# Altium PCB vision-pi-main.PcbDoc (part 3 of 4)
Units mil, origin at the board's own origin, x right, y up, seen from the top; angles counter-clockwise.
Board outline 944.88 x 1496.06 mil, 6 copper layers (Top Layer, GND(2), Sig(3), Sig(4), PWR, Bottom Layer), stack 32.111 mil thick; 145 components, 190 nets, 978 pads, 464 vias.
Unrouted connection lines stored in the file: 2.
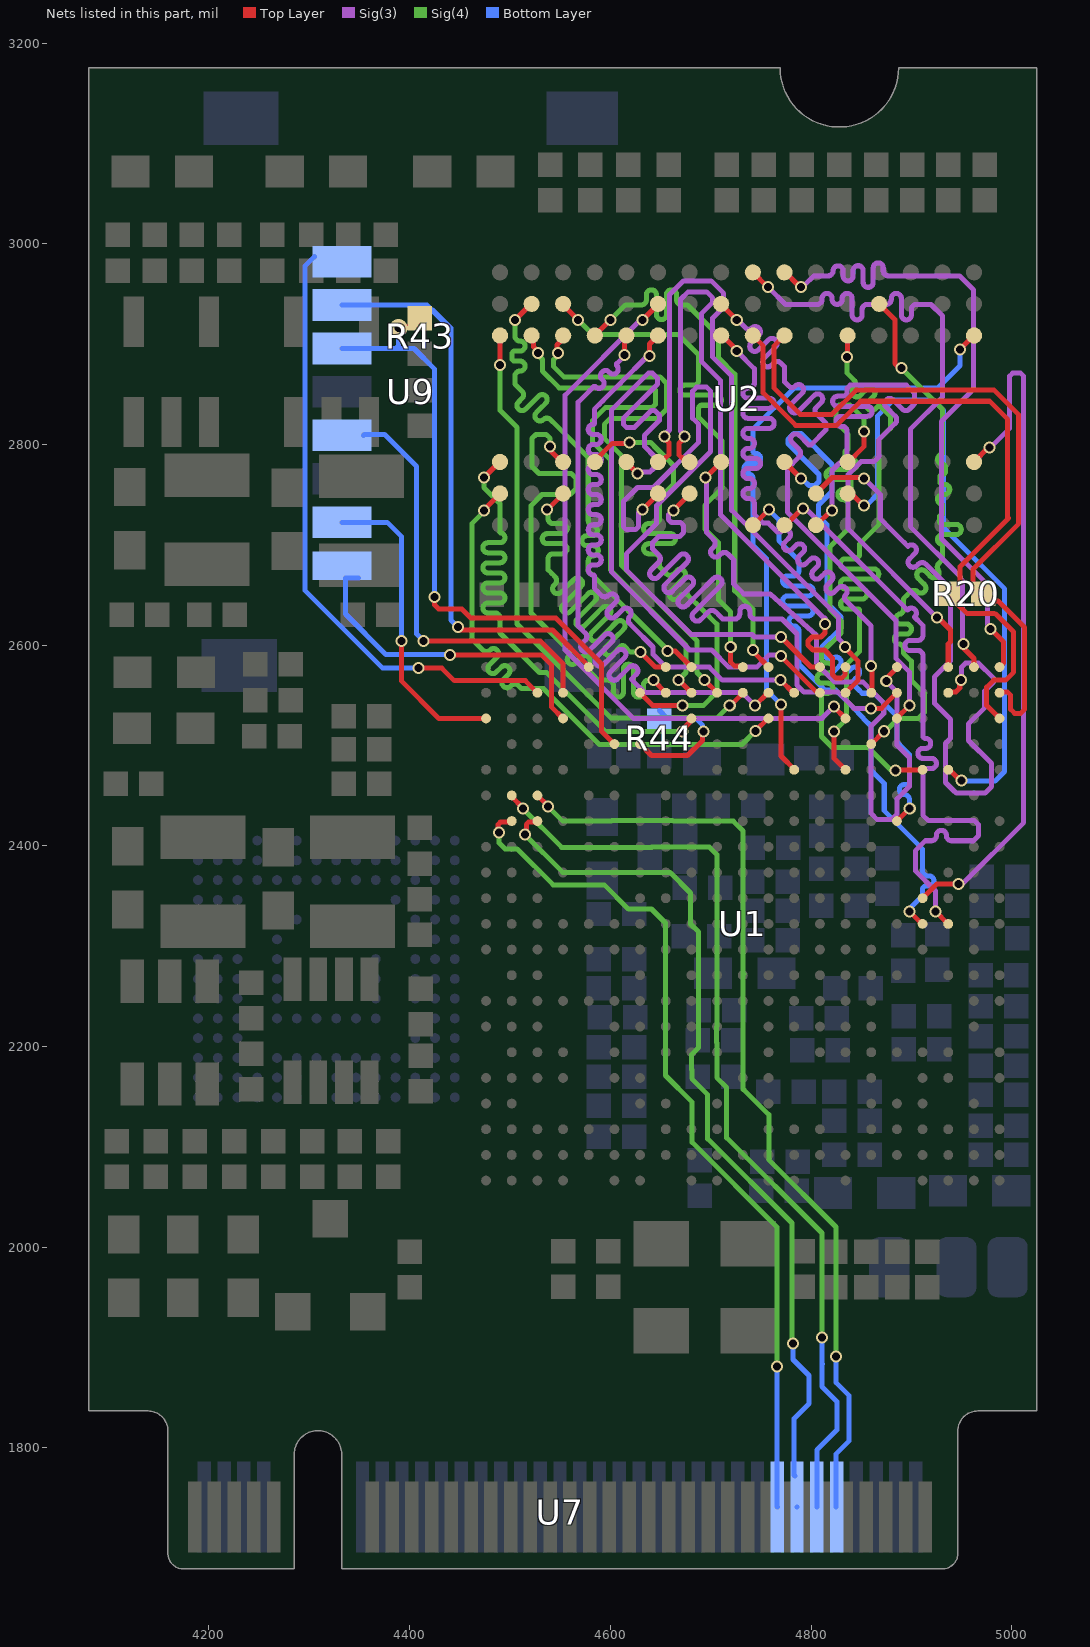
[diagram p7: the nets of this part, all layers, seen from the top]

## Via types
v1: diameter 12, hole 8, Top Layer to Bottom Layer, 412 vias
v2: diameter 18, hole 8, Top Layer to Bottom Layer, 52 vias

## Nets (pads, with @x,y where several pads share a name; then routed paths per layer and width w, separated by ;. In a path a pad name is that pad's centre, name@x,y a point inside that pad or via, vN(x,y) a via of type N, cw(c..) or ccw(c..) an arc to the next point about the centre after c; other vN are vias at no path point) (continued)
SA13: U1.V12 U2.T3 | length 695.3
  Top Layer w5: U1.V12@4911.18,2347.77 4925.35,2361.94 4946.94,2361.94 v1(4947,2362) ; U2.T3@4962.48,2782.52 4976.96,2797 v1(4978,2797)
  Sig(3) w5: v1@4946,2361 v1(4947,2362) 4951,2362 5012,2423 5012,2868 5009,2871 5001,2871 4998,2868 4998,2816 v1@4979,2797
SA14: U1.N17 U2.T7 | length 649.4
  Top Layer w5: v1(4770,2541) 4770,2489.5 U1.N17@4784.28,2475.23 ; v1(4948.43,2894.71) U2.T7@4961.23,2907.5
  Bottom Layer w5: 4737,2771 cw(c4737,2766) 4742,2766 4742,2761 4742,2736 4742,2700 4755.5,2686.5 4755.5,2555.5 4768,2543 4768,2541 v1@4770,2539 ; 4738.26,2771 cw(c4738.26,2776) 4733.26,2776 cw(c4738.26,2776) 4738.26,2781 4742,2781 4744.84,2781 ccw(c4744.84,2786) 4749.84,2786 ccw(c4744.84,2786) 4744.84,2791 cw(c4744.84,2793.84) 4742,2793.84 4742,2796 4742,2815 4783,2856 4926,2856 4948.43,2878.43 4948.43,2894.43 v1@4949,2895
SA15: U1.R17 U2.M7 | length 665.1
  Top Layer w5: v1(4823,2514) 4822.99,2487.15 U1.R17@4834.41,2475.72 ; v1@4834,2886 4836.25,2888.25 4836.25,2908.26 U2.M7@4836.5,2908.5
  Sig(4) w5: v1(4823,2514) 4835.5,2526.5 4835.5,2580.82 4848.5,2593.82 4848.5,2634 ccw(c4846.59,2634) 4846.59,2635.91 4834.57,2635.91 cw(c4834.57,2640.91) 4829.57,2640.91 cw(c4834.57,2640.91) 4834.57,2645.91 4848.5,2645.91 4850.82,2645.91 ccw(c4850.82,2650.91) 4855.82,2650.91 ccw(c4850.82,2650.91) 4850.82,2655.91 4848.5,2655.91 4834.18,2655.91 cw(c4834.18,2660.91) 4829.18,2660.91 cw(c4834.18,2660.91) 4834.18,2665.91 4848.5,2665.91 4862.52,2665.91 ccw(c4862.52,2670.91) 4867.52,2670.91 ccw(c4862.52,2670.91) 4862.52,2675.91 4848.5,2675.91 4834.18,2675.91 cw(c4834.18,2680.91) 4829.18,2680.91 cw(c4834.18,2680.91) 4834.18,2685.91 4843.5,2685.91 ccw(c4843.5,2690.91) 4848.5,2690.91 4848.5,2695.91 4848.5,2700.91 4868,2720.41 4868,2805.09 4879,2816.09 4879,2828 4870,2837 ccw(c4867.82,2834.82) 4865.64,2837 4863.93,2835.29 cw(c4860.39,2838.82) 4856.85,2835.29 cw(c4860.39,2838.82) 4856.85,2842.36 4860.75,2846.25 4862.14,2847.65 ccw(c4858.61,2851.18) 4862.14,2854.72 ccw(c4858.61,2851.18) 4855.07,2854.72 4853.68,2853.32 4849.24,2848.88 cw(c4845.7,2852.42) 4842.17,2848.88 cw(c4845.7,2852.42) 4842.17,2855.95 4843.07,2856.86 ccw(c4839.54,2860.39) 4843.07,2863.93 4839.54,2867.46 4836,2871 v1(4836,2887)
SBA0: U1.W17 U2.M2 | length 641.9
  Top Layer w5: U2.M2@4838.54,2752.5 v1@4854,2737.05 ; U1.W17@4937.28,2475.77 4937.98,2475.77 4948.75,2465 v1(4950,2465)
  Bottom Layer w5: v1@4855,2739 4866.5,2750.5 4866.5,2828.5 4882,2844 4922,2844 4932,2834 4932,2717 4947.19,2701.81 4993,2656 4993,2474 4983.34,2464.34 4950.66,2464.34 v1(4950,2465)
  other v1: 4853,2739
SBA1: U1.T18 U2.N8 | length 666.3
  Top Layer w5: U1.T18@4860,2501.32 v1(4872.8,2514.11) ; U2.N8@4867.99,2940 4883.56,2924.43 4883.56,2880.44 v1@4888,2876
  Sig(4) w5: v1(4872.8,2514.11) 4874.14,2515.45 4875.45,2515.45 4887,2527 4907,2527 4913,2533 4913,2552 4900,2565 4900,2584 4892,2592 4892,2596 4892,2597 ccw(c4888,2597) 4888,2601 cw(c4888,2606) 4883,2606 cw(c4888,2606) 4888,2611 4892,2611 4895.07,2611 ccw(c4895.07,2616) 4900.07,2616 ccw(c4895.07,2616) 4895.07,2621 4892,2621 4889.43,2621 cw(c4889.43,2626) 4884.43,2626 cw(c4889.43,2626) 4889.43,2631 ; 4888,2631 ccw(c4888,2635) 4892,2635 4892,2641 4892,2646 4895.54,2649.54 4899.21,2653.21 cw(c4902.61,2649.82) 4906,2653.21 ccw(c4909.54,2656.75) 4913.07,2653.21 ccw(c4909.54,2656.75) 4913.07,2660.28 4909.68,2663.68 4906.79,2666.56 cw(c4910.33,2670.1) 4906.79,2673.63 cw(c4910.33,2670.1) 4913.86,2673.63 4916.75,2670.75 4919.13,2668.36 ccw(c4922.67,2671.9) 4926.2,2668.36 ccw(c4922.67,2671.9) 4926.2,2675.44 ; v1@4889,2873 4889.77,2873 4890,2872.77 4893.23,2872.77 4931.19,2834.81 4931.19,2795 4931.19,2790.19 ccw(c4931.19,2785.19) 4926.19,2785.19 ccw(c4931.19,2785.19) 4931.19,2780.19 cw(c4931.19,2777.39) 4934,2777.39 4934,2773 cw(c4931.19,2773) 4931.19,2770.19 ccw(c4931.19,2767.49) 4928.49,2767.49 4928.49,2762.89 ccw(c4931.19,2762.89) 4931.19,2760.19 4933.26,2760.19 cw(c4933.26,2755.19) 4938.26,2755.19 cw(c4933.26,2755.19) 4933.26,2750.19 4931.19,2750.19 ccw(c4931.19,2745.19) 4926.19,2745.19 ccw(c4931.19,2745.19) 4931.19,2740.19 4931.19,2730.19 ccw(c4931.19,2726.94) 4927.94,2726.94 4927.94,2723.45 ccw(c4931.19,2723.45) 4931.19,2720.19 4944.76,2720.19 cw(c4944.76,2715.19) 4949.76,2715.19 cw(c4944.76,2715.19) 4944.76,2710.19 4931.19,2710.19 ccw(c4931.19,2705.19) 4926.19,2705.19 ccw(c4931.19,2705.19) 4931.19,2700.19 4931.19,2690.19 4931.19,2685.19 4930.89,2684.89 4927.21,2681.21 ccw(c4930.61,2677.82) 4927.21,2674.43
  other v1: 4890,2876
SBA2: U1.V17 U2.M3 | length 665.4
  Top Layer w5: U2.M3@4836.5,2781.54 4853,2798.05 v1@4853,2811 ; v1@4883,2476 4883.64,2475.36 4910.82,2475.36 U1.V17@4911.18,2475.72 U1.V17@4910.25,2476.65
  Sig(4) w5: v1(4853,2813) 4853,2825 4839,2839 4828,2839 4825,2836 4825,2822 4837,2810 4837,2805 4837,2795 ccw(c4837,2791.9) 4833.9,2791.9 4833.9,2788.1 ccw(c4837,2788.1) 4837,2785 4840.91,2785 cw(c4840.91,2780) 4845.91,2780 cw(c4840.91,2780) 4840.91,2775 4837,2775 4820,2775 ccw(c4820,2770) 4815,2770 ccw(c4820,2770) 4820,2765 4837,2765 cw(c4837,2762.01) 4839.99,2762.01 4839.99,2757.99 cw(c4837,2757.99) 4837,2755 4831.82,2755 ccw(c4831.82,2750) 4826.82,2750 ccw(c4831.82,2750) 4831.82,2745 4832,2745 cw(c4832,2740) 4837,2740 4837,2716 4819,2698 4819,2635.09 4830,2624.09 4830,2611.91 4810.5,2592.41 4810.5,2587 ccw(c4815.5,2587) 4815.5,2582 4816.88,2582 cw(c4816.88,2577) 4821.88,2577 cw(c4816.88,2577) 4816.88,2572 4810.5,2572 ccw(c4810.5,2567.52) 4806.02,2567.52 4806.02,2566.48 ccw(c4810.5,2566.48) 4810.5,2562 4816.88,2562 cw(c4816.88,2557) 4821.88,2557 cw(c4816.88,2557) 4816.88,2552 4813.5,2552 ccw(c4813.5,2549) 4810.5,2549 4810.5,2508.82 4821.32,2498 4857,2498 4880,2475 4882.98,2475 v1@4883.48,2475.5
  other v1: 4884,2475
SCAS: U1.U15 U2.K3 | length 673
  Top Layer w5: v1@4789,2765 v1@4789,2767.01 ; U1.U15@4885.59,2424.54 v1(4898.39,2437.34) ; v1@4789,2767.01 U2.K3@4773.5,2782.52 v1@4789,2767.01
  Bottom Layer w5: v1@4790.21,2764.21 4792.79,2764.21 4798,2759 4804,2759 4808,2763 4808,2770 4777.07,2800.93 4777.07,2805.07 4783,2811 4790,2811 4821,2780 4821,2753.09 4807.5,2739.59 4807.5,2728.41 4816,2719.91 4816,2642 4830,2628 4830,2617 4811,2598 4811,2592 4815.5,2587.5 4816.52,2586.48 ccw(c4819.04,2588.99) 4821.55,2586.48 cw(c4825.08,2582.94) 4828.62,2586.48 cw(c4825.08,2582.94) 4828.62,2579.41 4826.11,2576.89 4821.75,2572.53 ccw(c4825.28,2569) 4821.75,2565.46 ccw(c4825.28,2569) 4828.82,2565.46 4833.18,2569.82 4839.99,2576.64 cw(c4843.53,2573.1) 4847.06,2576.64 cw(c4843.53,2573.1) 4847.06,2569.56 4843.78,2566.29 ccw(c4847.32,2562.75) 4843.78,2559.22 4847.32,2555.68 4851,2552 4862.68,2552 4885.89,2528.79 4885.89,2503.11 4898,2491 4898,2463 cw(c4896,2463) 4896,2461 4893,2461 ccw(c4893,2456) 4888,2456 ccw(c4893,2456) 4893,2451 cw(c4893,2446) 4898,2446 4898,2437.73 v1(4898.39,2437.34)
  other v1: 4790,2766
SCKE0: U1.AA21 U2.K9 | length 692
  Top Layer w5: U2.K9@4773.5,2971.23 4774.77,2971.23 v1@4787.07,2958.93 ; v1@4976,2615 4980,2615 4992,2603 4992,2582.13 U1.AA21@4987.95,2578.09
  Sig(3) w5: v1@4790,2958 4792.89,2958 4802.89,2968 4817,2968 ccw(c4817,2973) 4822,2973 cw(c4827,2973) 4827,2978 cw(c4827,2973) 4832,2973 4832,2968 ccw(c4837,2968) 4837,2963 ccw(c4837,2968) 4842,2968 4842,2973.09 cw(c4847,2973.09) 4847,2978.09 cw(c4847,2973.09) 4852,2973.09 4852,2968 4852,2961.53 ccw(c4857,2961.53) 4857,2956.53 ccw(c4857,2961.53) 4862,2961.53 4862,2968 4862,2975.96 cw(c4867,2975.96) 4867,2980.96 cw(c4867,2975.96) 4872,2975.96 4872,2973 ccw(c4877,2973) 4877,2968 4886,2968 4948,2968 4961.93,2954.07 4961.93,2859.62 4962,2859.55 4962,2855 4930,2823 4930,2706.05 4976,2660.05 4976,2620 v1@4979,2617
  other v1: 4979,2616 4790,2957
SCKE1: U1.Y21 U2.J9 | length 691.4
  Top Layer w5: U2.J9@4742.01,2971.5 4742.26,2971.5 4757,2956.75 v1@4757,2956 ; v1@4951,2604 4951,2598 4962.36,2586.64 U1.Y21@4962.36,2578.09 4962.5,2577.94 U1.Y21@4962.5,2576.77
  Sig(3) w5: v1@4757,2956 4758,2956 4774.5,2939.5 4798,2939.5 4801,2939.5 4806,2939.5 ccw(c4806,2944.5) 4811,2944.5 4811,2945.44 cw(c4816,2945.44) 4816,2950.44 cw(c4816,2945.44) 4821,2945.44 4821,2944.5 ccw(c4826,2944.5) 4826,2939.5 ccw(c4826,2944.5) 4831,2944.5 4831,2945.44 cw(c4836,2945.44) 4836,2950.44 cw(c4836,2945.44) 4841,2945.44 4841,2939.5 4841,2929.06 ccw(c4846,2929.06) 4846,2924.06 ccw(c4846,2929.06) 4851,2929.06 4851,2934.5 cw(c4856,2934.5) 4856,2939.5 4861,2939.5 4866,2939.5 4870,2939.5 4875,2939.5 ccw(c4875,2944.5) 4880,2944.5 4880,2945.44 cw(c4885,2945.44) 4885,2950.44 cw(c4885,2945.44) 4890,2945.44 4890,2939.5 4890,2929.06 ccw(c4895,2929.06) 4895,2924.06 ccw(c4895,2929.06) 4900,2929.06 4900,2934.5 cw(c4905,2934.5) 4905,2939.5 4919.59,2939.5 4931,2928.09 4931,2847 4899,2815 4899,2718 4949,2668 4949,2666 4951,2664 v1@4951,2604
  other v1: 4952,2601 4757,2957
SCKN: R20.2 U1.AA20 U2.K7 | length 693.4
  Top Layer w5: U2.K7@4773.5,2908.5 4763.26,2898.26 4763.26,2887.75 4763.26,2856 4789.26,2830 4821,2830 4845,2854 4982.56,2854 5007,2829.56 5007,2721 4961.5,2675.5 4961.5,2661.5 4962.01,2660.99 4962.01,2660.7 4965.72,2657 R20.2@4966,2657 ; R20.2@4981,2650.42 R20.2@4981,2652 ; R20.2@4982.3,2644 4986.56,2644 5013,2617.56 5013,2536 5009,2532 5003,2532 4999,2536 4999,2550 4996,2553 4988.46,2553 U1.AA20@4987.95,2552.5
SCKP: R20.1 U1.AA19 U2.J7 | length 727.8
  Top Layer w5: U2.J7@4742.01,2908.5 4752.26,2898.26 4752.26,2883.2 4752.26,2851.44 4784.7,2819 4825.56,2819 4849.56,2843 4978,2843 4996,2825 4996,2725.56 ; R20.1@4945,2643 4945.99,2642.01 R20.1@4945.99,2641.3 ; 4982.56,2631.3 4955.7,2631.3 4945.99,2641.01 R20.1@4945.99,2641.3 ; 4984,2631 5002,2613 5002,2573 4994,2565 4982,2565 4975,2558 4975,2539.86 U1.AA19@4987.95,2526.91 ; 4996.94,2726.5 4996,2725.56 ; R20.1@4945.99,2641.3 R20.1@4936.28,2651 4948.5,2663.22 4948.5,2678.06 4996,2725.56
SCS0: U1.W20 U2.L2 | length 685.5
  Top Layer w5: U2.L2@4805,2751.02 4820.94,2766.95 v1@4851,2766.95 ; U1.W20@4936.77,2552.5 4937.7,2553.42 4944.42,2553.42 4948.23,2557.23 4948.23,2562.06 4949.17,2563 v1@4950,2563
  Sig(3) w5: v1(4853,2766) 4869,2750 4869,2726 4893,2702 4896.54,2698.46 cw(c4900.07,2694.93) 4903.61,2698.46 cw(c4900.07,2694.93) 4903.61,2691.39 4898.26,2686.05 ccw(c4901.8,2682.51) 4898.26,2678.98 ccw(c4901.8,2682.51) 4905.33,2678.98 4907.14,2680.79 cw(c4910.68,2677.25) 4914.21,2680.79 4916.5,2678.5 4938.95,2656.05 4938.95,2620.93 4939,2620.88 4939,2584.32 4923,2568.32 4923,2542 4939,2526 4939,2507 4934,2502 4934,2463 4943,2454 4943.32,2454 4944.82,2452.5 4973.5,2452.5 4980,2459 4980,2482 4957,2505 4957,2521.5 4973,2537.5 4973,2554 4982,2563 4982,2567 4967,2582 4954,2582 4950,2578 4950,2567 v1@4949,2566 ; v1@4948.93,2565.93 4949,2565.86 v1@4949,2565
  other v1: 4949.57,2565.29
SCS1: U1.W21 U2.L1 | length 695.3
  Top Layer w5: U2.L1@4805.24,2719.29 v1@4819.95,2734 ; v1@4925.45,2626.52 4927.48,2626.52 4939,2615 4939,2603.32 4936.77,2601.09 U1.W21@4936.77,2578.09 U1.W21@4937.5,2578.82
  Sig(3) w5: v1(4821,2734) 4821,2774 4836,2789 4836,2813 ccw(c4831,2813) 4831,2818 4829.86,2818 cw(c4829.86,2823) 4824.86,2823 cw(c4829.86,2823) 4829.86,2828 4836,2828 4856,2828 ccw(c4856,2833) 4861,2833 ccw(c4856,2833) 4856,2838 4836,2838 4826.59,2838 cw(c4826.59,2843) 4821.59,2843 cw(c4826.59,2843) 4826.59,2848 4832,2848 ccw(c4832,2852) 4836,2852 4836,2856 4839,2859 4895,2859 4900,2854 4900.07,2854 4903,2851.07 4903,2840.09 4901.63,2838.72 4898.1,2835.19 cw(c4894.56,2838.72) 4891.03,2835.19 4881.94,2844.27 ccw(c4878.41,2840.73) 4874.87,2844.27 ccw(c4878.41,2840.73) 4874.87,2837.2 4883.95,2828.12 cw(c4880.42,2824.58) 4883.95,2821.05 4868,2805.09 4868,2788 4863,2783 4850,2783 4837,2770 4837,2716 v1(4925.45,2627.52) ; v1@4925.45,2626.52 v1(4925.45,2627.52)
SDC0-CLK: U1.D20 U9.5 | length 420.7
  Top Layer w5: v1(4414,2604) 4530.29,2604 4552.91,2581.38 U1.D20@4552.91,2552.5
  Bottom Layer w5: U9.5@4354,2809 4355,2810 4375,2810 4407,2778 4407,2611 v1(4414,2604)
SDC0-CMD: R43.1 U1.F18 U9.3 | length 655.4
  Top Layer w5: v2@4391,2917 4401.28,2917 R43.1@4410,2925.72 ; v1(4425,2648) 4425,2640 4429,2636 4452,2636 4461,2627 4545.74,2627 4591.08,2581.66 4591.08,2514.33 U1.F18@4604.09,2501.32
  Bottom Layer w5: U9.3@4332.59,2895.59 4404.41,2895.59 4425,2875 v1(4425,2648) ; 4387,2896 4389,2898 v2(4389,2916)
SDC0-D0: U1.A19 U9.7 | length 307.9
  Top Layer w5: v1(4392,2604) 4392,2564 4429.09,2526.91 U1.A19@4476.14,2526.91
  Bottom Layer w5: U9.7@4332.59,2722.36 4377.64,2722.36 4392,2708 v1@4392,2605
SDC0-D1: U1.D19 U9.8 | length 333.5
  Top Layer w5: v1(4440,2590) 4531.56,2590 4541.27,2580.29 4541.27,2538.54 U1.D19@4552.91,2526.91
  Bottom Layer w5: U9.8@4349,2667 4336,2667 4336,2631 4376.5,2590.5 4439.5,2590.5 v1(4440,2590)
SDC0-D2: U1.C20 U9.1 | length 610.3
  Top Layer w5: v1(4409,2577) 4432.02,2577 4444.52,2564.5 4515.32,2564.5 U1.C20@4527.32,2552.5
  Bottom Layer w5: U9.1@4305,2987 4295.56,2977.56 4295.56,2654.63 4373.19,2577 v1(4409,2577)
SDC0-D3: U1.E21 U9.2 | length 589.5
  Top Layer w5: v1@4448,2615 4542.41,2615 4578.5,2578.91 U1.E21@4578.5,2578.09
  Bottom Layer w5: U9.2@4332.59,2938.9 4417.1,2938.9 4440,2916 ; 4423,2934 4441,2916 4441,2625 v1(4448,2618)
SDC0-DET: R44.2 U1.G18 | length 137.4
  Top Layer w5: U1.G18@4629.69,2501.32 4630.43,2500.57 4639,2492 4641.11,2489.89 4676.89,2489.89 4692,2505 v1@4692,2514 ; U1.G18@4630,2500.14 U1.G18@4630.72,2500.87
  Bottom Layer w5: R44.2@4649,2534.72 4656.22,2527.5 4684.5,2527.5 4692,2520 v1@4692,2515
  other v1: 4693,2514
SDQ0: U1.N20 U2.F7 | length 697
  Top Layer w5: v1(4639,2888) 4639,2899.98 U2.F7@4647.52,2908.5 ; v1(4769.71,2565.02) U1.N20@4782.5,2552.23
  Sig(3) w5: v1(4639,2888) 4637.09,2888 4609.95,2860.86 4592.55,2843.45 4589.01,2839.92 4584,2834.91 4584,2829.91 4584,2820.91 cw(c4583,2820.91) 4583,2819.91 ccw(c4583,2814.91) 4578,2814.91 ccw(c4583,2814.91) 4583,2809.91 4584,2809.91 4586,2809.91 cw(c4586,2804.91) 4591,2804.91 cw(c4586,2804.91) 4586,2799.91 4584,2799.91 4583,2799.91 ccw(c4583,2794.91) 4578,2794.91 ccw(c4583,2794.91) 4583,2789.91 4584,2789.91 4586,2789.91 cw(c4586,2784.91) 4591,2784.91 cw(c4586,2784.91) 4586,2779.91 4584,2779.91 4583,2779.91 ccw(c4583,2774.91) 4578,2774.91 ccw(c4583,2774.91) 4583,2769.91 4584,2769.91 4586,2769.91 cw(c4586,2764.91) 4591,2764.91 cw(c4586,2764.91) 4586,2759.91 4584,2759.91 4583,2759.91 ccw(c4583,2754.91) 4578,2754.91 ccw(c4583,2754.91) 4583,2749.91 4584,2749.91 4586,2749.91 cw(c4586,2744.91) 4591,2744.91 cw(c4586,2744.91) 4586,2739.91 4584,2739.91 4583,2739.91 ccw(c4583,2734.91) 4578,2734.91 ccw(c4583,2734.91) 4583,2729.91 4584,2729.91 4586,2729.91 cw(c4586,2724.91) 4591,2724.91 cw(c4586,2724.91) 4586,2719.91 4584,2719.91 4583,2719.91 ccw(c4583,2714.91) 4578,2714.91 ccw(c4583,2714.91) 4583,2709.91 4584,2709.91 4586,2709.91 cw(c4586,2704.91) 4591,2704.91 cw(c4586,2704.91) 4586,2699.91 4584,2699.91 4583,2699.91 ccw(c4583,2694.91) 4578,2694.91 ccw(c4583,2694.91) 4583,2689.91 4584,2689.91 4586,2689.91 cw(c4586,2684.91) 4591,2684.91 cw(c4586,2684.91) 4586,2679.91 4584,2679.91 4583,2679.91 ccw(c4583,2674.91) 4578,2674.91 ccw(c4583,2674.91) 4583,2669.91 cw(c4583,2668.91) 4584,2668.91 4584,2659.91 4584,2656.68 4587.54,2653.14 4591.07,2649.61 ccw(c4594.61,2653.14) 4598.14,2649.61 cw(c4601.68,2646.07) 4605.21,2649.61 cw(c4601.68,2646.07) 4605.21,2642.54 4601.68,2639 4598.14,2635.46 ccw(c4601.68,2631.93) 4598.14,2628.39 ccw(c4601.68,2631.93) 4605.21,2628.39 4608.75,2631.93 4612.28,2635.46 cw(c4615.82,2631.93) 4619.36,2635.46 cw(c4615.82,2631.93) 4619.36,2628.39 ccw(c4622.89,2624.86) 4619.36,2621.32 4621.84,2618.84 4642.5,2598.18 4642.5,2590.82 4655.4,2577.92 4698.71,2577.92 4711.63,2565 4736.63,2565 v1(4769.71,2565.02)
SDQ1: U1.P21 U2.F2 | length 699.7
  Top Layer w5: v1@4633.05,2736 U2.F2@4648.5,2751.46 ; v1(4770,2608) 4799.91,2578.09 U1.P21@4808.82,2578.09
  Sig(3) w5: v1@4629,2733 4628,2732 4628,2718 4625.07,2715.07 4615.93,2715.07 4613,2718 4613,2743 4627,2757 4643,2757 4688,2802 4688,2820 4682,2826 4682,2853 4686,2857 4696,2857 4700,2853 4700,2793 4646,2739 4646,2721 4616,2691 4616,2675 4680.5,2610.5 4741.18,2610.5 4743.68,2608 v1(4770,2608)
  other v1: 4632,2735
SDQ2: U1.P20 U2.E3 | length 700.7
  Top Layer w5: U2.E3@4616.54,2781.5 v1@4626.52,2771.52 ; v1@4769,2589.84 v1@4769.84,2589 ; v1(4770,2589) v1@4769.84,2589 ; U1.P20@4808.82,2552.5 4806.35,2552.5 v1@4769.84,2589
  Sig(3) w5: v1@4628,2770 4628,2770.11 4630.23,2772.34 4639.34,2772.34 ; 4642.5,2775.5 4639.34,2772.34 ; v1(4770,2589) 4769,2590 4758,2590 4746,2578 4718,2578 4701,2595 4679,2595 4601,2673 4601,2834 4637.93,2870.93 4642.07,2870.93 4647,2866 4647,2860 4613,2826 4613,2820 4616,2817 4624,2817 4641,2834 4644,2834 4649,2829 4649,2824 4634,2809 4634,2798 4645,2787 4645,2778 4639.34,2772.34
  other v1: 4627,2771
SDQ3: U1.U21 U2.H3 | length 677.3
  Top Layer w5: v1(4695,2767) U2.H3@4710.51,2782.52 ; v1(4875,2564) 4875,2566.75 4886.17,2577.91 U1.U21@4886.41,2577.91
  Sig(3) w5: v1@4693,2765 4696,2762 4696,2724 4696,2719 4696,2718 4696,2712 4699.54,2708.46 4703.07,2704.93 cw(c4699.54,2701.39) 4703.07,2697.86 4701.47,2696.26 ccw(c4705.01,2692.72) 4701.47,2689.19 ccw(c4705.01,2692.72) 4708.54,2689.19 4710.14,2690.79 cw(c4713.68,2687.25) 4717.21,2690.79 4720.75,2687.25 4723,2685 4723,2660.91 4732.91,2651 4759.23,2651 4805.5,2609.5 4805.5,2581.5 4824,2563 4852,2563 4872.5,2542.5 4872.5,2531.82 4859.71,2519.03 4859.71,2432.29 4866,2426 4880,2426 4885.89,2431.89 4885.89,2446.89 4898,2459 4898,2488 4885.5,2500.5 4885.5,2553.5 v1@4878,2561 ; v1@4874,2563 v1(4875,2564)
SDQ4: U1.R19 U2.F8 | length 703.8
  Top Layer w5: v1(4632,2924) U2.F8@4647.5,2939.46 ; v1(4823,2539) 4822.09,2539 4822.55,2538.55 4834.3,2526.8 U1.R19@4834.69,2526.41
  Sig(3) w5: v1(4632,2924) 4629.91,2924 4555,2849.09 4555,2651.32 4555,2595 4623,2527 4811,2527 v1(4823,2539)
SDQ5: U1.T20 U2.H7 | length 694.3
  Top Layer w5: U2.H7@4710.51,2908.5 4711.5,2908.5 v1@4727,2893 ; U1.T20@4860,2552.5 4860,2553.81 4861,2554.81 v1@4861,2574
  Sig(3) w5: v1@4727,2892 4743.5,2875.5 4743.5,2871 4743.5,2866 4743.5,2861 cw(c4738.5,2861) 4738.5,2856 4737.15,2856 ccw(c4737.15,2851) 4732.15,2851 ccw(c4737.15,2851) 4737.15,2846 4743.5,2846 4758.35,2846 cw(c4758.35,2841) 4763.35,2841 cw(c4758.35,2841) 4758.35,2836 4743.5,2836 4737.15,2836 ccw(c4737.15,2831) 4732.15,2831 ccw(c4737.15,2831) 4737.15,2826 4743.5,2826 4758.35,2826 cw(c4758.35,2821) 4763.35,2821 cw(c4758.35,2821) 4758.35,2816 4743.5,2816 4737.15,2816 ccw(c4737.15,2811) 4732.15,2811 ccw(c4737.15,2811) 4737.15,2806 4738.5,2806 cw(c4738.5,2801) 4743.5,2801 cw(c4738.5,2801) 4738.5,2796 4737.15,2796 ccw(c4737.15,2791) 4732.15,2791 ccw(c4737.15,2791) 4737.15,2786 4743.5,2786 4744.76,2786 cw(c4744.76,2781) 4749.76,2781 cw(c4744.76,2781) 4744.76,2776 4743.5,2776 4737.15,2776 ccw(c4737.15,2771) 4732.15,2771 ccw(c4737.15,2771) 4737.15,2766 4738.5,2766 cw(c4738.5,2761) 4743.5,2761 cw(c4738.5,2761) 4738.5,2756 4737.15,2756 ccw(c4737.15,2751) 4732.15,2751 ccw(c4737.15,2751) 4737.15,2746 4738.5,2746 cw(c4738.5,2741) 4743.5,2741 4743.5,2736 4743.5,2730.41 4752.41,2721.5 4757.5,2721.5 4761.04,2717.96 4765.26,2713.74 ccw(c4768.11,2716.59) 4770.95,2713.74 cw(c4774.49,2710.21) 4778.03,2713.74 cw(c4774.49,2710.21) 4778.03,2706.67 4775.18,2703.82 4773.89,2702.54 ccw(c4777.43,2699) 4773.89,2695.47 ccw(c4777.43,2699) 4780.96,2695.47 4782.25,2696.75 4784.99,2699.49 cw(c4788.52,2695.96) 4792.06,2699.49 cw(c4788.52,2695.96) 4792.06,2692.42 4789.32,2689.68 4788.03,2688.39 ccw(c4791.57,2684.86) 4788.03,2681.32 ccw(c4791.57,2684.86) 4795.11,2681.32 4796.39,2682.61 4799.13,2685.35 cw(c4802.67,2681.81) 4806.2,2685.35 cw(c4802.67,2681.81) 4806.2,2678.28 4803.46,2675.54 4802.18,2674.25 ccw(c4805.71,2670.72) 4802.18,2667.18 ccw(c4805.71,2670.72) 4809.25,2667.18 4810.53,2668.47 4813.27,2671.21 cw(c4816.81,2667.67) 4820.34,2671.21 cw(c4816.81,2667.67) 4820.34,2664.14 4817.6,2661.4 4816.32,2660.11 ccw(c4819.85,2656.57) 4816.32,2653.04 ccw(c4819.85,2656.57) 4823.39,2653.04 4824.68,2654.32 4827.41,2657.06 cw(c4830.95,2653.53) 4834.49,2657.06 cw(c4830.95,2653.53) 4834.49,2649.99 4834.59,2650.1 ccw(c4837.44,2647.25) 4834.59,2644.41 4838,2641 4860,2619 v1(4860,2579)
  other v1: 4726,2893
SDQ6: U1.U19 U2.H8 | length 700.1
  Top Layer w5: U2.H8@4710.54,2939.5 v1(4726,2924) ; U1.U19@4885.59,2526.91 4885.59,2527.25 4898,2539.66 v1(4898,2540)
  Sig(3) w5: v1@4726,2923 4728,2923 4734.5,2916.5 4735.11,2915.89 ccw(c4738.04,2918.82) 4740.96,2915.89 cw(c4744.5,2912.36) 4748.03,2915.89 cw(c4744.5,2912.36) 4748.03,2908.82 4745.11,2905.89 4740.38,2901.16 ccw(c4743.91,2897.63) 4740.38,2894.09 ccw(c4743.91,2897.63) 4747.45,2894.09 4752.18,2898.82 4757.57,2904.22 cw(c4761.11,2900.68) 4764.64,2904.22 cw(c4761.11,2900.68) 4764.64,2897.15 4759.25,2891.75 4753.33,2885.84 ccw(c4756.87,2882.3) 4753.33,2878.76 ccw(c4756.87,2882.3) 4760.4,2878.76 4762.78,2881.14 cw(c4766.32,2877.61) 4769.86,2881.14 4773.39,2877.61 4773.5,2877.5 4773.5,2862 ; 4774,2862 4777.5,2858.5 4777.95,2858.05 ccw(c4781.04,2861.13) 4784.12,2858.05 cw(c4787.65,2854.51) 4791.19,2858.05 cw(c4787.65,2854.51) 4791.19,2850.98 4788.11,2847.89 4780.1,2839.89 ccw(c4783.64,2836.35) 4780.1,2832.82 ccw(c4783.64,2836.35) 4787.17,2832.82 4795.18,2840.82 4803.18,2848.83 cw(c4806.72,2845.29) 4810.26,2848.83 cw(c4806.72,2845.29) 4810.26,2841.76 4805,2836.5 ccw(c4807.75,2833.75) 4805,2831 4815,2821 4815,2814.5 4800.25,2799.75 cw(c4798.86,2801.14) 4797.46,2799.75 4788.25,2808.96 ccw(c4784.71,2805.43) 4781.18,2808.96 ccw(c4784.71,2805.43) 4781.18,2801.89 4788.25,2794.82 cw(c4784.71,2791.29) 4788.25,2787.75 4776.5,2776 4776.5,2732.41 4884.5,2624.41 4884.5,2586.82 4898,2573.32 v1(4898,2540)
SDQ7: U1.U20 U2.G2 | length 706.1
  Top Layer w5: v1(4663,2734) 4663,2734.5 4679.02,2750.52 U2.G2@4679.02,2751.02 ; v1(4860,2537) 4870.05,2537 4885.96,2552.91 U1.U20@4886.41,2552.91
  Sig(3) w5: v1@4664,2734 v1(4663,2734) 4662,2734 4658,2730 4658,2725 4660.93,2722.07 4670.07,2722.07 4673,2719.14 4673,2712 4669,2708 4648,2708 4642,2702 4642,2696 4642.5,2695.5 4645.5,2692.5 4648.5,2689.5 cw(c4645.1,2686.1) 4648.5,2682.71 4640.61,2674.82 ccw(c4644.15,2671.28) 4640.61,2667.75 ccw(c4644.15,2671.28) 4647.68,2667.75 4658.97,2679.03 4669.28,2689.35 cw(c4672.82,2685.82) 4676.36,2689.35 cw(c4672.82,2685.82) 4676.36,2682.28 4666.04,2671.96 4654.75,2660.68 ccw(c4658.29,2657.14) 4654.75,2653.61 ccw(c4658.29,2657.14) 4661.83,2653.61 4673.11,2664.89 4674.43,2666.22 cw(c4677.97,2662.68) 4681.5,2666.22 cw(c4677.97,2662.68) 4681.5,2659.14 4680.18,2657.82 4668.9,2646.54 ccw(c4672.43,2643) 4668.9,2639.47 ccw(c4672.43,2643) 4675.97,2639.47 4687.25,2650.75 4702.85,2666.35 cw(c4706.39,2662.82) 4709.93,2666.35 cw(c4706.39,2662.82) 4709.93,2659.28 4694.32,2643.68 4683.04,2632.39 ccw(c4686.57,2628.86) 4683.04,2625.32 ccw(c4686.57,2628.86) 4690.11,2625.32 4697.86,2633.07 cw(c4701.39,2629.54) 4704.93,2633.07 4708.46,2629.54 4712,2626 4719,2626 4724,2626 ccw(c4724,2631) 4729,2631 4729,2633.72 cw(c4734,2633.72) 4734,2638.72 cw(c4734,2633.72) 4739,2633.72 4739,2631 ccw(c4744,2631) 4744,2626 4749,2626 4754,2626 4755,2626 4764,2626 4771.09,2626 4786,2611.09 4786,2560 4793,2553 4827,2553 4843,2537 v1(4860,2537)
SDQ8: U1.J19 U2.A3 | length 559.1
  Top Layer w5: v1@4475.05,2768 U2.A3@4490.5,2783.46 ; v1@4670,2513.77 4680,2523.77 U1.J19@4680,2527
  Sig(4) w5: v1@4474,2764 4474,2757 4490,2741 4490,2718 ; 4490,2717 4490,2712 cw(c4490,2707) 4495,2707 cw(c4490,2707) 4490,2702 4477.99,2702 ccw(c4477.99,2697) 4472.99,2697 ccw(c4477.99,2697) 4477.99,2692 4490,2692 cw(c4490,2687) 4495,2687 cw(c4490,2687) 4490,2682 4477.99,2682 ccw(c4477.99,2677) 4472.99,2677 ccw(c4477.99,2677) 4477.99,2672 4490,2672 cw(c4490,2667) 4495,2667 cw(c4490,2667) 4490,2662 4477.99,2662 ccw(c4477.99,2657) 4472.99,2657 ccw(c4477.99,2657) 4477.99,2652 4490,2652 cw(c4490,2647) 4495,2647 cw(c4490,2647) 4490,2642 4477.99,2642 ccw(c4477.99,2637) 4472.99,2637 ccw(c4477.99,2637) 4477.99,2632 4485,2632 cw(c4485,2627) 4490,2627 4490,2612 4529.5,2572.5 4536.5,2572.5 4595,2514 v1(4672,2514)
  other v1: 4474,2767
SDQ9: U1.H20 U2.C3 | length 570.6
  Top Layer w5: v1@4540,2793.95 U2.C3@4555.46,2778.5 ; v1(4643,2565) 4643,2564.89 4655.28,2552.61 U1.H20@4655.28,2552.5
  Sig(4) w5: v1@4540.66,2799.34 4540,2800 4540,2806 4536.07,2809.93 4525.93,2809.93 4522,2806 4522,2778 4529,2771 4561,2771 4566,2766 4566,2756 4560,2750 4532,2750 4521,2739 4521,2632 4550.5,2602.5 4554.04,2598.96 4558.5,2594.5 cw(c4555.9,2591.89) 4558.5,2589.29 ccw(c4562.04,2585.76) 4558.5,2582.22 ccw(c4562.04,2585.76) 4565.58,2582.22 4568.18,2584.82 4571.37,2588.01 cw(c4574.9,2584.48) 4578.44,2588.01 cw(c4574.9,2584.48) 4578.44,2580.94 ; 4578.53,2581.03 4578.7,2581.2 ; 4578.78,2581.29 ccw(c4582.32,2577.75) 4578.78,2574.22 4582.32,2570.68 4588,2565 4593,2565 4598,2565 cw(c4598,2560) 4603,2560 4603,2553.07 ccw(c4608,2553.07) 4608,2548.07 ccw(c4608,2553.07) 4613,2553.07 4613,2565 4613,2575.93 cw(c4618,2575.93) 4618,2580.93 cw(c4618,2575.93) 4623,2575.93 4623,2565 4623,2553.07 ccw(c4628,2553.07) 4628,2548.07 ccw(c4628,2553.07) 4633,2553.07 4633,2560 cw(c4638,2560) 4638,2565 v1(4643,2565)
  other v1: 4540,2798
SDQ10: U1.H21 U2.C2 | length 572.6
  Top Layer w5: v1@4538.05,2736 U2.C2@4553.5,2751.46 ; v1(4630,2593) 4644.91,2578.09 U1.H21@4655.28,2578.09
  Sig(4) w5: v1@4537,2733 4537,2734 v1@4538,2735 ; v1@4538,2733 4538,2726 ccw(c4543,2726) 4543,2721 4551.84,2721 cw(c4551.84,2716) 4556.84,2716 cw(c4551.84,2716) 4551.84,2711 4538,2711 4537.16,2711 ccw(c4537.16,2706) 4532.16,2706 ccw(c4537.16,2706) 4537.16,2701 4538,2701 4551.84,2701 cw(c4551.84,2696) 4556.84,2696 cw(c4551.84,2696) 4551.84,2691 4543,2691 ccw(c4543,2686) 4538,2686 4538,2681 4538,2675 4541.54,2671.46 4545.07,2667.93 cw(c4541.54,2664.39) 4545.07,2660.86 4543.94,2659.73 ccw(c4547.47,2656.19) 4543.94,2652.65 ccw(c4547.47,2656.19) 4551.01,2652.65 4555.68,2657.32 4563.75,2665.39 cw(c4567.29,2661.86) 4570.82,2665.39 cw(c4567.29,2661.86) 4570.82,2658.32 4562.75,2650.25 4552.96,2640.47 ccw(c4556.5,2636.93) 4552.96,2633.4 ccw(c4556.5,2636.93) 4560.04,2633.4 4569.82,2643.18 4577.89,2651.25 cw(c4581.43,2647.72) 4584.96,2651.25 cw(c4581.43,2647.72) 4584.96,2644.18 4576.89,2636.11 4567.11,2626.32 ccw(c4570.64,2622.79) 4567.11,2619.25 ccw(c4570.64,2622.79) 4574.18,2619.25 4583.96,2629.04 4592.03,2637.11 cw(c4595.57,2633.57) 4599.11,2637.11 cw(c4595.57,2633.57) 4599.11,2630.04 4591.03,2621.97 4581.25,2612.18 ccw(c4584.78,2608.65) 4581.25,2605.11 ccw(c4584.78,2608.65) 4588.32,2605.11 4598.1,2614.9 4606.18,2622.97 cw(c4609.71,2619.43) 4613.25,2622.97 cw(c4609.71,2619.43) 4613.25,2615.9 4605.18,2607.82 4595.39,2598.04 ccw(c4598.93,2594.5) 4595.39,2590.97 ccw(c4598.93,2594.5) 4602.46,2590.97 4609.99,2598.5 cw(c4612.25,2596.25) 4614.5,2598.5 4620,2593 v1(4630,2593)
  other v1: 4537,2735
SDQ11: U1.J21 U2.B8 | length 569.1
  Top Layer w5: v1@4507.05,2926 U2.B8@4522.5,2941.46 ; v1(4657,2594) 4664.95,2594 U1.J21@4680.87,2578.09
  Sig(4) w5: v1@4505,2923 4505,2908 ccw(c4510,2908) 4510,2903 cw(c4510,2898) 4515,2898 cw(c4510,2898) 4510,2893 4505,2893 ccw(c4505,2889.9) 4501.9,2889.9 4501.9,2886.1 ccw(c4505,2886.1) 4505,2883 4509.98,2883 cw(c4509.98,2878) 4514.98,2878 cw(c4509.98,2878) 4509.98,2873 ccw(c4510,2868) 4505,2868 4505,2863 4505,2860 4508.54,2856.46 4512.07,2852.93 cw(c4508.54,2849.39) 4512.07,2845.86 4508.44,2842.22 ccw(c4511.97,2838.69) 4508.44,2835.15 ccw(c4511.97,2838.69) 4515.51,2835.15 4522.68,2842.32 4528.56,2848.21 cw(c4532.1,2844.67) 4535.64,2848.21 cw(c4532.1,2844.67) 4535.64,2841.14 4529.75,2835.25 4526.4,2831.9 ccw(c4529.93,2828.36) 4526.4,2824.83 ccw(c4529.93,2828.36) 4533.47,2824.83 ; 4533.28,2824.64 cw(c4536.82,2821.11) 4540.36,2824.64 4542,2823 4578,2787 4578,2739 4578,2724 ccw(c4583,2724) 4583,2719 ; 4582.06,2719 cw(c4582.06,2714) 4587.06,2714 cw(c4582.06,2714) 4582.06,2709 4578,2709 4576.73,2709 ccw(c4576.73,2704) 4571.73,2704 ccw(c4576.73,2704) 4576.73,2699 4578,2699 4583,2699 cw(c4583,2694) 4588,2694 cw(c4583,2694) 4583,2689 ccw(c4583,2684) 4578,2684 4578,2679 4578,2674 4657,2595 v1(4657,2594) ; 4582.38,2719 4582.68,2719
  other v1: 4505,2924
SDQ12: U1.L20 U2.A7 | length 566.2
  Top Layer w5: v1@4489,2879 4490.02,2880.02 U2.A7@4490.04,2908.5 ; v1(4719,2540) 4719.87,2540 U1.L20@4731.91,2552.05
  Sig(4) w5: v1@4491,2876 4490,2875 4490,2834 4507,2817 4507,2621 4600.5,2527.5 4706.5,2527.5 v1(4719,2540)
  other v1: 4490,2879
SDQ13: U1.L21 U2.C8 | length 576.7
  Top Layer w5: U2.C8@4552.54,2939.5 v1(4568,2924) ; v1@4720,2599 v1(4720,2598) 4720,2583 4723.99,2579.01 4731.12,2579.01 U1.L21@4731.91,2578.22 ; U1.L21@4731.91,2578.05 U1.L21@4731.91,2578.22 ; U1.L21@4732.05,2578.09 U1.L21@4731.91,2578.22
  Sig(4) w5: v1@4567,2923 4569,2921 4571,2921 4582.5,2909.5 4667.59,2909.5 4688,2889.09 4688,2874 4688,2869 4688,2864 cw(c4683,2864) 4683,2859 4674.28,2859 ccw(c4674.28,2854) 4669.28,2854 ccw(c4674.28,2854) 4674.28,2849 4688,2849 4705.72,2849 cw(c4705.72,2844) 4710.72,2844 cw(c4705.72,2844) 4705.72,2839 4691,2839 ccw(c4691,2836) 4688,2836 4688,2827 4711.5,2803.5 4711.5,2756.5 4694.25,2739.25 4694.25,2715.75 4708,2702 4708,2645 4720,2633 v1(4720,2598)
SDQ14: U1.M21 U2.D7 | length 575.4
  Top Layer w5: U2.D7@4584.53,2908.5 v1(4600,2924) ; v1@4740,2595.86 4740.86,2595 v1(4742,2595) ; v1@4741,2596 4741,2594.72 U1.M21@4757.64,2578.09
  Sig(4) w5: v1(4600,2924) 4615,2939 4631,2939 ccw(c4631,2944) 4636,2944 4636,2949.07 cw(c4641,2949.07) 4641,2954.07 cw(c4641,2949.07) 4646,2949.07 4646,2939 4646,2929.42 ccw(c4651,2929.42) 4651,2924.42 ccw(c4651,2929.42) 4656,2929.42 4656,2939 4656,2949.07 cw(c4661,2949.07) 4661,2954.07 cw(c4661,2949.07) 4666,2949.07 4666,2944 ccw(c4671,2944) 4671,2939 4674,2939 4677,2939 4708,2908 4708,2886 4724,2870 4724,2654 4742,2636 v1(4742,2595)
SDQ15: U1.M19 U2.A2 | length 559.5
  Top Layer w5: v1@4475.05,2736 U2.A2@4490.5,2751.46 ; v1(4744.57,2514.3) U1.M19@4757.36,2527.09
  Sig(4) w5: v1@4475,2734 4462,2721 4462,2606 4473,2595 ccw(c4476.54,2598.54) 4480.07,2595 cw(c4483.61,2591.46) 4487.14,2595 cw(c4483.61,2591.46) 4487.14,2587.93 4483.61,2584.39 4479.36,2580.15 ccw(c4482.9,2576.61) 4479.36,2573.08 ccw(c4482.9,2576.61) 4486.43,2573.08 4490.68,2577.32 4491.42,2578.06 cw(c4494.95,2574.53) 4498.49,2578.06 cw(c4494.95,2574.53) 4498.49,2570.99 4497.75,2570.25 4493.51,2566.01 ccw(c4497.04,2562.47) 4493.51,2558.94 ccw(c4497.04,2562.47) 4500.58,2558.94 4501.28,2559.64 cw(c4504.82,2556.11) 4508.36,2559.64 4511.5,2556.5 4533.5,2556.5 4589,2501 4731.27,2501 v1(4744.57,2514.3)
  other v1: 4474,2734
SDQM0: U1.M20 U2.E7 | length 704.6
  Top Layer w5: v1(4614,2889) 4614,2904.48 4615,2905.48 4614,2906.48 U2.E7@4616.02,2908.5 ; v1(4744,2540) 4744.57,2540 4756.21,2551.64 U1.M20@4757.5,2551.64
  Sig(3) w5: v1(4614,2889) 4614,2888 4609,2883 4606.4,2880.4 ccw(c4607.34,2879.46) 4606.4,2878.52 cw(c4602.87,2874.99) 4606.4,2871.45 cw(c4602.87,2874.99) 4599.33,2871.45 4598.39,2872.39 ccw(c4595.42,2869.42) 4592.44,2872.39 4591.32,2871.27 ccw(c4594.3,2868.3) 4591.32,2865.32 4592.26,2864.38 cw(c4588.73,2860.85) 4592.26,2857.31 cw(c4588.73,2860.85) 4585.19,2857.31 ccw(c4584.25,2856.37) 4583.31,2857.31 4579.5,2853.5 4568,2842 4568,2665 4568,2630 4568,2625 4568,2619 4571.53,2615.47 4575.07,2611.93 cw(c4571.53,2608.4) 4575.07,2604.86 4571.98,2601.77 ccw(c4575.52,2598.24) 4571.98,2594.7 ccw(c4575.52,2598.24) 4579.05,2594.7 4585.68,2601.32 4594.3,2609.95 cw(c4597.84,2606.42) 4601.38,2609.95 cw(c4597.84,2606.42) 4601.38,2602.88 4592.75,2594.25 4586.12,2587.63 ccw(c4589.66,2584.09) 4586.12,2580.56 ccw(c4589.66,2584.09) 4593.19,2580.56 4599.82,2587.18 4606.99,2594.35 cw(c4610.52,2590.82) 4614.06,2594.35 cw(c4610.52,2590.82) 4614.06,2587.28 4606.89,2580.11 4600.27,2573.49 ccw(c4603.8,2569.95) 4600.27,2566.42 ccw(c4603.8,2569.95) 4607.34,2566.42 4613.96,2573.04 4618.9,2577.98 cw(c4622.43,2574.44) 4625.97,2577.98 cw(c4622.43,2574.44) 4625.97,2570.9 4621.03,2565.97 4621.5,2565.5 4634.5,2552.5 4731.5,2552.5 v1(4744,2540)
SDQM1: U1.G20 U2.D3 | length 562.9
  Top Layer w5: U2.D3@4584.5,2783.54 4601.95,2801 v1@4619,2801 ; U1.G20@4629.69,2552.5 4629.69,2552.32 4642,2540 v1(4672,2540)
  Sig(4) w5: v1(4619,2802) 4640,2802 4641,2801 4646,2796 4649.54,2792.46 4656.61,2785.39 4663,2779 4663,2760 4649,2746 4649,2741 4649,2731 4649,2726 cw(c4644,2726) 4644,2721 4638.15,2721 ccw(c4638.15,2716) 4633.15,2716 ccw(c4638.15,2716) 4638.15,2711 4649,2711 4659.85,2711 cw(c4659.85,2706) 4664.85,2706 cw(c4659.85,2706) 4659.85,2701 4649,2701 4638.15,2701 ccw(c4638.15,2696) 4633.15,2696 ccw(c4638.15,2696) 4638.15,2691 4644,2691 cw(c4644,2686) 4649,2686 4649,2681 4649,2678 4652.54,2674.46 4656.07,2670.93 ccw(c4659.61,2674.46) 4663.14,2670.93 4666.37,2674.16 cw(c4669.91,2670.62) 4673.44,2674.16 cw(c4669.91,2670.62) 4673.44,2667.09 4666.68,2660.32 4660.29,2653.93 ccw(c4663.82,2650.4) 4660.29,2646.86 ccw(c4663.82,2650.4) 4667.36,2646.86 4670.21,2649.72 cw(c4673.75,2646.18) 4677.28,2649.72 4692,2635 4706.16,2620.84 4706.16,2553.16 4693,2540 v1(4672,2540) v1@4670,2538
SDQS0N: U1.R21 U2.G3 | length 694.3
  Top Layer w5: v1(4674,2808) 4674,2806.57 4668.27,2800.84 4668.27,2789.65 4671.2,2786.72 4671.8,2786.72 4676,2782.52 U2.G3@4679.02,2782.52 ; v1@4814,2616 4814,2612 4810,2608 4801,2608 4797.07,2604.07 4797.07,2599.93 4802,2595 4813.5,2595 4821.5,2587 4821.5,2570.5 4825,2567 4830.55,2567 4834,2570.45 4834,2577.68 U1.R21@4834.41,2578.09
  Sig(3) w5: v1(4674,2808) 4674,2809.43 4670,2813.43 4670,2944.43 4677.57,2952 4696,2952 4702,2946 4702,2941.56 4691,2930.56 4691,2882.43 4710,2863.43 4710,2729.66 4812.66,2627 4812.66,2622.34 v1(4814,2621) v1@4814,2626.86
SDQS0P: U1.R20 U2.F3 | length 709.7
  Top Layer w5: U2.F3@4647.52,2782.52 4650.53,2782.52 4654.74,2786.72 4655.34,2786.72 4658.27,2789.65 4658.27,2801.84 4654,2806.11 v1(4654,2808) ; v1(4834,2598) 4834,2597 4847,2584 4847,2565.09 U1.R20@4834.41,2552.5
  Sig(3) w5: v1(4654,2808) 4654,2809.43 4659,2814.43 4659,2948.99 4673.01,2963 4700.56,2963 4713,2950.56 4713,2937 4702,2926 4702,2886.99 4721,2867.99 4721,2734.22 4827.5,2627.72 4827.5,2606.39 4834,2599.89 v1(4834,2598)
SDQS1N: U1.J20 U2.B7 | length 562.3
  Top Layer w5: U2.B7@4521.54,2908.5 4523.67,2906.37 4523.67,2897.23 4528,2892.89 v1(4528,2891) ; v1(4668.07,2565.29) U1.J20@4680.87,2552.5
  Sig(4) w5: v1(4528,2891) 4528,2889.11 4532.5,2884.61 4532.5,2872.94 4549.05,2856.39 4642.61,2856.39 4645,2854 4645,2840 4642,2837 4595.44,2837 4582,2823.56 4582,2802.59 4600,2784.59 4600,2675 4675.37,2599.63 4675.37,2572.59 v1(4668.07,2565.29)
SDQS1P: U1.K20 U2.C7 | length 563.3
  Top Layer w5: v1(4548,2891) 4546.66,2892.34 4546.66,2899.12 4551,2903.46 U2.C7@4551,2909 ; v1(4693.66,2565.29) U1.K20@4706.46,2552.5
  Sig(4) w5: v1(4548,2891) 4548,2889.11 4543.5,2884.61 4543.5,2877.5 4553.61,2867.39 4649.61,2867.39 4656,2861 4656,2835 4647,2826 4600,2826 4594,2820 4594,2806.14 4611,2789.14 4611,2679.56 4686.37,2604.19 4686.37,2572.59 v1(4693.66,2565.29)
SIP0_MISO/GPIOC1: U1.C16 U7.10 | length 943.9
  Top Layer w5: U1.C16@4526.09,2450.13 U1.C16@4527.32,2450.13 ; U1.C16@4526.72,2450.87 v1@4538,2439.59
  Sig(4) w5: v1(4538,2439) 4552.5,2424.5 4600.93,2424.5 4601.59,2425.16 4662.16,2425.16 4662.82,2424.5 4722.5,2424.5 4732.34,2414.66 4732.34,2272.66 4733,2272 ; 4732.34,2157 4732.34,2272 ; 4733,2157 4758,2132 4758,2087 4825,2020 v1(4825,1891)
  Bottom Layer w5: 4825,1865 4825.04,1864.96 ; U7.10@4825.04,1741.04 4825.04,1794 4838,1806.96 4838,1852 4825.04,1864.96 ; v1@4825.04,1890 4825.04,1864.96
SODT0: U1.W11 U2.K1 | length 688
  Top Layer w5: U2.K1@4773.5,2718.54 v1@4788.95,2734 ; v1(4924.02,2334.61) U1.W11@4936.82,2321.82
  Sig(3) w5: v1(4792,2736) 4795,2736 4853.87,2677.13 4853.97,2677.13 4892.55,2638.55 4896.08,2635.01 4896.43,2635.36 cw(c4899.97,2631.82) 4903.5,2635.36 cw(c4899.97,2631.82) 4903.5,2628.29 4903.15,2627.94 4910.22,2620.87 4911.5,2619.59 4911.5,2614.59 4911.5,2609.59 cw(c4906.5,2609.59) 4906.5,2604.59 4898.5,2604.59 ccw(c4898.5,2599.59) 4893.5,2599.59 ccw(c4898.5,2599.59) 4898.5,2594.59 4906.5,2594.59 cw(c4906.5,2589.59) 4911.5,2589.59 4911.5,2584.59 4911.5,2583 4911.5,2512 4911.5,2509.79 ccw(c4914.29,2509.79) 4914.29,2507 cw(c4914.29,2502) 4919.29,2502 cw(c4914.29,2502) 4914.29,2497 4911.5,2497 4911.42,2497 ccw(c4911.42,2492) 4906.42,2492 ccw(c4911.42,2492) 4911.42,2487 4911.5,2487 4920,2487 cw(c4920,2482) 4925,2482 cw(c4920,2482) 4920,2477 4916.5,2477 ccw(c4916.5,2472) 4911.5,2472 4911.5,2468 4911.5,2430.5 4917,2425 4963,2425 4967,2421 4967,2410 4962,2405 4942,2405 4940,2405 cw(c4940,2410) 4935,2410 4935,2410.43 ccw(c4930,2410.43) 4930,2415.43 ccw(c4930,2410.43) 4925,2410.43 4925,2410 cw(c4920,2410) 4920,2405 4914,2405 4904,2395 4904,2375 4924,2355 v1(4924.02,2334.61)
SODT1: U1.V11 U2.J1 | length 645.3
  Top Layer w5: U2.J1@4741.5,2718.54 v1@4756.95,2734 ; v1(4898.02,2334.61) U1.V11@4910.82,2321.82
  Bottom Layer w5: v1(4758,2735) 4768,2725 4768,2704 4788,2684 4788,2679 4788,2674 cw(c4783,2674) 4783,2669 4776.74,2669 ccw(c4776.74,2664) 4771.74,2664 ccw(c4776.74,2664) 4776.74,2659 4788,2659 4797.26,2659 cw(c4797.26,2654) 4802.26,2654 cw(c4797.26,2654) 4797.26,2649 4788,2649 4776.74,2649 ccw(c4776.74,2644) 4771.74,2644 ccw(c4776.74,2644) 4776.74,2639 4788,2639 4797.1,2639 cw(c4797.1,2634) 4802.1,2634 cw(c4797.1,2634) 4797.1,2629 4788,2629 4783.03,2629 ccw(c4783.03,2624) 4778.03,2624 ccw(c4783.03,2624) 4783.03,2619 ; 4783,2619 cw(c4783,2614) 4788,2614 4788,2582 4788,2581 4814,2555 4824.68,2555 4847.5,2532.18 4847.5,2531.82 4852.38,2526.94 4852.38,2526.61 4859.71,2519.29 4859.71,2475.29 4873,2462 4873,2435 4911,2397 4911,2375 ccw(c4916,2375) 4916,2370 4917.54,2370 cw(c4917.54,2365) 4922.54,2365 cw(c4917.54,2365) 4917.54,2360 4915,2360 ccw(c4915,2356) 4911,2356 4911,2350 v1@4897,2336
SPI0_CLK/GPIOC2: U1.B16 U7.12 | length 938.1
  Top Layer w5: U1.B16@4501.72,2448.87 v1@4513,2437.59
  Sig(4) w5: v1(4513,2437) 4551.5,2398.5 4641.09,2398.5 4641.25,2398.66 4698.84,2398.66 4706.16,2391.34 4706.16,2307 ; 4706.29,2310.3 4706.29,2219.74 4706,2219.45 4706,2203.78 4706.16,2203.62 4706.16,2168.84 4716,2159 4716,2109 4811,2014 v1(4811,1910)
  Bottom Layer w5: U7.12@4805.76,1741 4805.75,1797.77 4826,1818.02 4826,1846 4811,1861 4811,1883 ; v1@4810,1908 4811,1907 4811,1884 4811.5,1883.5
SPI0_CS/GPIOC3: U1.B15 U7.16 | length 852.1
  Top Layer w5: v1@4488,2412 4488,2421 ; 4489,2422 4490.62,2423.62 4500.81,2423.62 U1.B15@4501.73,2424.54
  Sig(4) w5: v1@4489,2408 4489,2403 4495,2397 4507,2397 4543,2361 4594,2361 4618,2337 4641,2337 4655,2323 4655,2171 4681.5,2144.5 4681.5,2104.5 4766,2020 v1(4766,1881)
  Bottom Layer w5: v1@4766,1878 4766,1741.39 U7.16@4766.39,1741.01
  other v1: 4489,2413
SPI0_MOSI/GPIOC0: U1.C15 U7.14 | length 854.6
  Top Layer w5: v1@4514,2414 4516.11,2414 4516.34,2414.23 4516.34,2421.34 4518.62,2423.62 4526.4,2423.62 U1.C15@4527.32,2424.54 ; v1(4515,2411) v1@4516,2412
  Sig(4) w5: v1(4515,2411) 4552.5,2373.5 4659.5,2373.5 4680,2353 4680,2322 4688,2314 4688,2199 4681,2192 4681,2177 ; 4681.16,2177 4681.16,2167.84 4697,2152 4697,2108 4781,2024 4781,1905 v1(4782,1904)
  Bottom Layer w5: v1(4782,1904) 4782,1888 4798,1872 4798,1844 4783,1829 4783,1773 U7.14@4784,1772 ; U7.14@4786,1741.08 U7.14@4786.07,1741.01